# Altium PCB PMR_for_R124_test.PcbDoc (part 2 of 2)
Units mm, origin at the board's own origin, x right, y up, seen from the top; angles counter-clockwise.
Board outline 100 x 100 mm, 4 copper layers (Top Layer, Layer 1, Layer 2, Bottom Layer), stack 1.383 mm thick; 162 components, 107 nets, 490 pads, 503 vias.
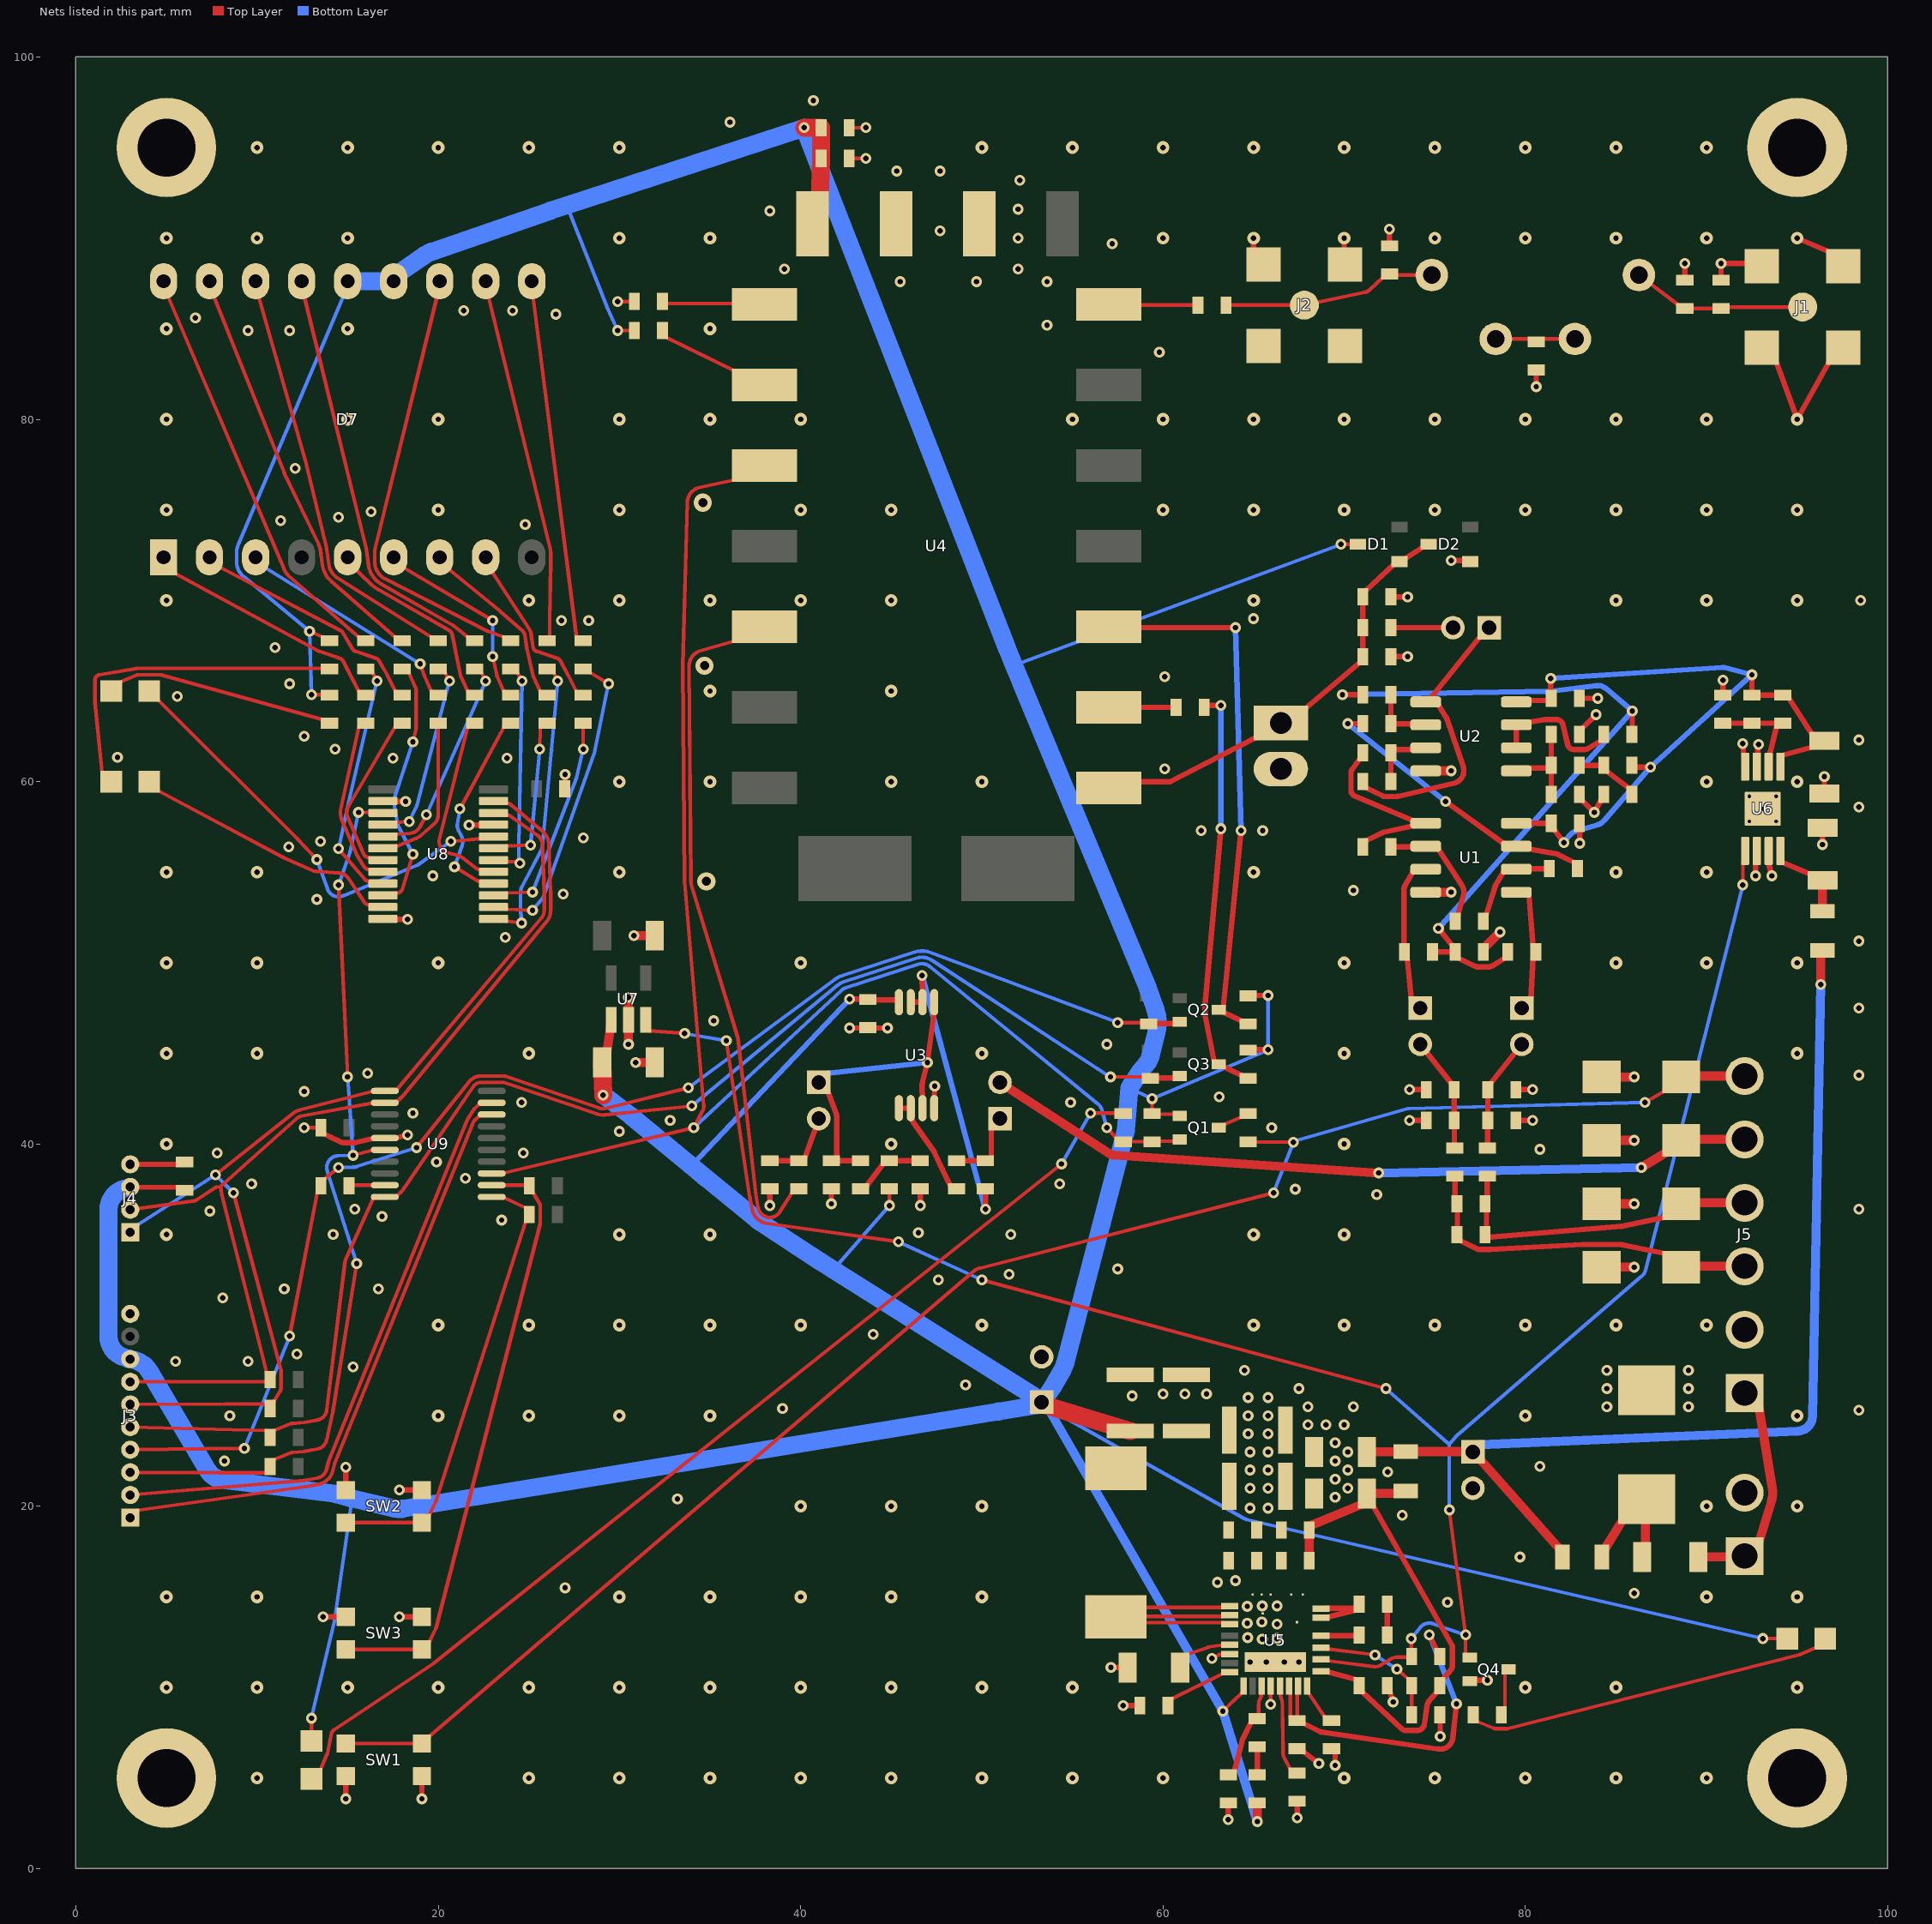
[diagram p4: the nets of this part, all layers, seen from the top]

## Via types
v1: diameter 0.6, hole 0.3, Top Layer to Bottom Layer, 331 vias
v2: diameter 0.7, hole 0.3, Top Layer to Bottom Layer, 164 vias
v3: diameter 0.5, hole 0.2, Top Layer to Bottom Layer, 5 vias
v4: diameter 1, hole 0.5, Top Layer to Bottom Layer, 3 vias

## Nets (pads, with @x,y where several pads share a name; then routed paths per layer and width w, separated by ;. In a path a pad name is that pad's centre, name@x,y a point inside that pad or via, vN(x,y) a via of type N, cw(c..) or ccw(c..) an arc to the next point about the centre after c; other vN are vias at no path point) (continued)
+5V: C17.2 C18.2 C19.2 C21.2 C22.2 C23.2 C24.2 C25.2 C26.2 C31.1 C39.2 C46.1 D1.3 D3.2 D5.1 D7.13 D7.14 J3.8 J4.3 L1.2 Q1.1 R21.2 R28.1 R33.1 R34.1 R35.1 R40.2 R66.1 R67.1 U3.8 U4.8 U5.20 U7.1 | length 394.7
  Top Layer w0.2: v1(12.9,68.3) 13.625,67.975 R66.1@14,67.775 ; D3.2@13,7.05 v1(13,8.3) ; v1(13,64.8) 13.625,64.8 R67.1@14,64.775 ; v1(29.9,84.9) R28.1@30.825,84.9 ; v1(44.9,36.6) R21.2@44.9,37.525 ; v1(59.4,42.5) 59.4,41.875 R35.1@59.4,41.675 59.775,41.644 60.625,41.644 Q1.1@60.925,41.55 ; v1(63.3,8.7) 64.371,9.705 U5.20@64.449,10.075 ; v1(69.825,73.1) D1.3@70.75,73.1 ; v1(93.1,12.7) D5.1@94.45,12.7
  Top Layer w0.3: J4.3@3,37.625 5.675,37.6 C46.1@6,37.45 ; v1(42.7,48) 43.375,48 C17.2@43.7,47.975 44.025,47.947 45.425,47.947 U3.8@45.425,47.825 ; R34.1@64.7,45.175 65.025,45.2 v1(65.8,45.2) ; R33.1@64.7,48.175 65.025,48.2 v1(65.8,48.2)
  Top Layer w0.5: C39.2@29.05,44.5 29.3,45.075 29.5,46.4 U7.1@29.55,46.85 ; v1(65.2,2.6) R40.2@65.2,3.625
  Top Layer w1: C39.2@29.05,44.5 v1(29.1,42.7) ; v1(40.2,96.1) C18.2@41.125,96.1 C19.2@41.125,94.4 41.06,92.1 U4.8@40.66,90.8 ; C31.1@53.3,25.75 53.45,25.6 C26.2@58.2,24.15
  Bottom Layer w0.2: v1(13,8.3) 14.287,13.75 ccw(c13.65,13.9) 14.298,13.81 15.212,20.258 15.235,20.432 ; v1(13,64.8) v1(12.9,68.3) 9.25,71.321 cw(c9.92,72.13) 8.87,72.13 8.87,72.63 cw(c9.92,72.63) 8.953,73.038 15,87.37 D7.14@15,87.62 ; 27.096,91.812 27.172,91.616 ccw(c27.358,91.688) 27.172,91.614 29.292,86.258 ccw(c29.9,86.5) 29.302,86.234 v1(29.9,84.9) ; 41.802,33.061 v1(44.9,36.6) ; 51.772,66.43 v1(69.825,73.1) ; C31.1@53.3,25.75 53.7,25.35 53.85,25.2 54.264,25.068 cw(c54.203,24.878) 54.301,25.052 64.48,19.33 ccw(c64.8,19.9) 64.653,19.263 v1(93.1,12.7) ; 58.141,43.079 v1(59.4,42.5) v1(65.8,45.2) v1(65.8,48.2)
  Bottom Layer w0.3: 33.975,38.79 v1(42.7,48)
  Bottom Layer w0.5: C31.1@53.7,25.35 v1(63.3,8.7) v1(65.2,2.6)
  Bottom Layer w1: J3.8@3,28.125 2.995,28.126 cw(c3.135,29.116) 2.804,28.172 2.603,28.243 cw(c3,29.375) 1.8,29.375 1.8,36.375 cw(c3,36.375) 2.664,37.527 J4.3@3,37.625 ; J3.8@3,28.125 cw(c2.866,27.134) 3.198,28.077 3.398,28.007 cw(c3,26.875) 4.033,27.485 7.293,21.963 ccw(c8.2,22.5) 8.07,21.454 14.245,20.699 cw(c14.123,19.706) 14.397,20.668 15.224,20.435 ccw(c15.495,21.398) 15.235,20.432 ; D7.14@15,87.62 D7.13@17.54,87.62 17.54,87.87 19.252,89.061 cw(c20.08,87.87) 19.606,89.24 26.184,91.514 cw(c26.511,90.568) 26.2,91.519 27.096,91.812 v1(40.2,96.1) 51.395,67.341 ccw(c52.328,67.701) 51.405,67.316 51.772,66.43 52.163,65.471 ccw(c53.089,65.85) 52.165,65.468 59.162,48.59 cw(c58.1,48.15) 59.183,48.538 59.575,47.444 cw(c57.5,46.7) 59.639,46.167 59.316,44.872 cw(c58.2,45.15) 59.071,44.4 58.859,44.153 ccw(c59.617,43.501) 58.785,44.056 58.286,43.309 ccw(c59.117,42.753) 58.271,43.286 58.141,43.079 57.95,40.812 cw(c56.9,40.9) 57.92,40.634 54.606,27.91 cw(c53.3,28.25) 54.476,27.587 53.943,26.641 cw(c53.072,27.132) 53.902,26.575 C31.1@53.45,25.9 ; 15.265,20.424 17.61,19.874 ccw(c17.85,20.9) 18.018,19.859 50.928,25.233 C31.1@53.15,25.6 ; v1(29.1,42.7) 30.635,41.541 cw(c30,40.7) 30.67,41.513 33.971,38.793 cw(c33.336,38.021) 33.973,38.792 33.975,38.79 34.79,38.108 ccw(c35.432,38.874) 34.8,38.1 37.634,35.783 ccw(c38.3,36.6) 37.722,35.719 41.064,33.527 ccw(c41.612,34.363) 41.079,33.517 41.802,33.061 C31.1@53.15,25.9
+26V: F1.1 J5.1 J6.1 | length 12.4
  Top Layer w0.5: F1.1@89.55,17.2 89.8,17.205 91.3,17.205 J6.1@92.1,17.25 92.9,18.05 93.583,20.3 ccw(c92.1,20.75) 93.63,21.001 92.9,25.45 J5.1@92.1,26.25
+26V_PROTECTION: D10.1 F1.2 FR3.1 | length 7.3
  Top Layer w0.5: FR3.1@84.225,17.2 84.375,17.625 85.375,19.275 D10.1@86.7,20.4 86.612,19.275 86.612,17.775 F1.2@86.45,17.2
+POWER_RAIL: C20.1 C27.2 FR1.1 FR2.1 FR3.2 | length 58.6
  Top Layer w0.5: C27.2@71.25,23 71.5,23.003 72.975,23.003 FR1.1@73.4,23.025 73.825,23.022 76.7,23.022 C20.1@77.1,23 77.5,22.6 81.9,17.625 FR3.2@82.05,17.2 ; v1(96.3,48.8) 96.3,50.525 FR2.1@96.4,50.675
  Bottom Layer w0.5: C20.1@77.1,23 77.5,23.4 95.036,24.151 ccw(c95,25) 95.85,24.984 v1(96.3,48.8)
+VA: C10.2 C11.2 C38.2 C41.2 R17.2 R48.2 U1.8 U2.8 U6.1 | length 42.1
  Top Layer w0.3: U1.8@79.5,57.705 80.2,57.7 81.275,57.7 C10.2@81.425,57.7 81.575,57.375 v1(82.119,56.637) ; U2.8@79.5,64.405 80.2,64.476 81.275,64.476 C11.2@81.425,64.6 81.4,64.925 v1(81.4,65.7) ; R17.2@85.875,60.9 86.025,60.8 v1(86.9,60.8) ; v1(92.5,65.9) 92.5,64.925 R48.2@92.5,64.775 C41.2@94.2,64.775 94.525,64.625 95.825,62.6 C38.2@96.5,62.25 95.825,61.9 94.15,61.45 U6.1@94.075,60.825
  Bottom Layer w0.3: v1(81.4,65.7) 90.855,66.303 cw(c90.9,65.6) 91.082,66.28 v1(92.5,65.9) v1(86.9,60.8) 84.332,57.839 cw(c83.8,58.3) 83.998,57.625 82.803,57.276 ccw(c83,56.6) 82.456,57.047 v1(82.119,56.637)
+VREF: C5.1 R3.1 R12.1 R15.1 R19.2 | length 41.4
  Top Layer w0.3: v1(69.9,64.8) R12.1@71.025,64.8 ; R3.1@74.875,50.6 C5.1@76.125,50.6 ; v1(75.2,51.9) 75.975,50.925 C5.1@76.125,50.6 ; R15.1@79.025,50.6 78.875,50.275 78.161,49.828 cw(c77.975,50.125) 77.975,49.775 77.375,49.775 cw(c77.375,50.125) 77.222,49.81 76.275,50.275 C5.1@76.125,50.6 ; R19.2@85.875,62.6 85.9,62.925 v1(85.9,63.9)
  Bottom Layer w0.3: v1(69.9,64.8) 81.413,64.996 ccw(c81.4,65.7) 81.484,65.001 83.914,65.299 ; v1(75.2,51.9) v1(85.9,63.9) 85.672,64.099 ccw(c85.474,63.873) 85.669,64.101 84.458,65.135 ccw(c84,64.6) 83.914,65.299
A1: R51.2 U8.4 | length 10.5
  Top Layer w0.2: U8.4@16.95,57.625 17.65,57.75 17.701,57.75 ccw(c17.701,58.099) 17.725,57.751 v1(18.4,57.8) ; R51.2@20,66.225 20.375,66.025 v1(20.619,65.554)
  Bottom Layer w0.2: v1(18.4,57.8) 18.79,58.618 ccw(c18.2,58.9) 18.833,58.734 v1(20.619,65.554)
A2: R59.2 U8.13 | length 16.2
  Top Layer w0.2: U8.13@23.05,52.425 23.75,52.3 v1(24.6,52.2) ; R59.2@26,66.225 26.375,66.025 v1(26.594,65.561)
  Bottom Layer w0.2: v1(24.6,52.2) 24.548,52.848 cw(c25.2,52.9) 24.546,52.9 24.546,53.9 cw(c25.2,53.9) 24.622,54.207 25.678,56.193 ccw(c25.1,56.5) 25.751,56.439 26.251,61.739 ccw(c25.6,61.8) 26.251,61.742 v1(26.594,65.561)
"AF AMP FB1": R23.1 U3.6 U3.7 | length 16.6
  Top Layer w0.3: U3.7@46.075,47.825 U3.6@46.725,47.825 46.725,48.325 v1(46.7,49.3) ; v1(50.2,36.4) 50.2,37.375 R23.1@50.2,37.525
  Bottom Layer w0.3: v1(46.7,49.3) v1(50.2,36.4)
"AF AMP FB2": R27.1 U3.1 U3.2 | length 5.9
  Top Layer w0.3: U3.1@45.425,41.975 U3.2@46.075,41.975 46.075,41.475 46.217,41.206 ccw(c46.725,41.475) 46.254,41.145 47.361,39.577 cw(c47.075,39.375) 47.392,39.522 47.807,38.628 ccw(c48.125,38.775) 47.81,38.622 48.275,37.675 R27.1@48.6,37.525
"AF AMP INPUT": C16.1 R22.1 R26.1 U3.3 U3.5 | length 18.3
  Top Layer w0.3: C16.1@41,43.4 41.5,42.9 41.935,41.755 cw(c41,41.4) 42,41.4 42,39.225 R26.1@41.7,39.075 ; R26.1@42,39.075 R22.1@43.3,39.075 ; U3.3@46.725,41.975 46.725,42.475 46.697,43.173 cw(c47.4,43.2) 46.717,43.372 v1(47,44.5) 47.375,47.325 U3.5@47.375,47.825
  Bottom Layer w0.3: C16.1@41,43.4 41.5,43.9 v1(47,44.5)
"AF AMP SUM": C15.1 R23.2 R27.2 | length 4.3
  Top Layer w0.3: R27.2@48.6,39.075 R23.2@50.2,39.075 50.525,39.225 50.525,40.9 C15.1@51,41.4
"AF OUT": R24.1 U4.3 | length 38.1
  Top Layer w0.2: U4.3@37.576,68.351 36.3,67.75 34.463,67.221 ccw(c34.7,66.4) 33.846,66.392 33.946,54.493 ccw(c34.8,54.5) 33.983,54.252 36.526,45.89 cw(c35.9,45.7) 36.55,45.773 37.527,37.19 ccw(c37.825,37.225) 37.53,37.171 37.657,36.48 ccw(c38.3,36.6) 38.854,36.253 39.525,37.325 R24.1@39.9,37.525
ANT: R50.1 U4.12 | length 4.9
  Top Layer w0.213: U4.12@57,86.35 58.694,86.302 61.731,86.302 R50.1@61.925,86.3
"AUDIO OUT": C15.2 D13.2 J5.5 | length 42.8
  Top Layer w0.5: C15.2@51,43.4 57.08,39.447 ccw(c57.325,39.825) 57.295,39.376 v1(71.9,38.4) ; v1(86.4,38.7) 87.8,39.55 D13.2@88.6,40.2 89.4,40.25 J5.5@92.1,40.25
  Bottom Layer w0.5: v1(71.9,38.4) v1(86.4,38.7)
B1: R52.2 U8.5 | length 12
  Top Layer w0.2: U8.5@16.95,56.975 17.65,57.1 17.701,57.1 ccw(c17.701,57.449) 17.722,57.101 18.444,57.147 ccw(c18.4,57.8) 18.974,57.486 v1(19.346,58.165) ; R52.2@22,66.225 22.375,66.025 v1(22.619,65.554)
  Bottom Layer w0.2: v1(19.346,58.165) v1(22.619,65.554)
B2: R60.2 U8.14 | length 17.1
  Top Layer w0.2: U8.14@23.05,53.075 23.75,52.95 23.801,52.95 cw(c23.801,52.6) 23.813,52.95 v1(25.2,52.9) ; R60.2@28,66.225 28.375,66.025 v1(29.4,65.4)
  Bottom Layer w0.2: v1(25.2,52.9) 25.695,53.472 ccw(c25.2,53.9) 25.816,53.682 28.616,61.582 ccw(c28,61.8) 28.641,61.67 v1(29.4,65.4)
BOOT: C35.1 U5.4 | length 2.1
  Top Layer w0.3: U5.4@68.725,12.85 69.045,12.858 70.675,12.858 C35.1@70.825,12.9
BOOT_PHASE: C35.2 R44.2 | length 1.7
  Top Layer w0.3: C35.2@72.375,12.9 R44.2@72.375,14.6
C1: R53.2 U8.6 | length 8.8
  Top Layer w0.2: U8.6@16.95,56.325 17.65,56.45 17.701,56.45 ccw(c17.701,56.799) 17.834,56.477 18.787,56.874 ccw(c18.4,57.8) 19.063,57.046 19.777,57.674 ccw(c19.346,58.165) 20,58.165 20,63.025 R53.2@20,63.225
C2: R61.2 U8.15 | length 12
  Top Layer w0.2: U8.15@23.05,53.725 23.75,53.85 23.801,53.85 ccw(c23.801,54.199) 23.812,53.85 v1(25.2,53.9) ; v1(28,61.8) R61.2@28,63.225
  Bottom Layer w0.2: v1(25.2,53.9) 27.61,60.165 ccw(c27,60.4) 27.637,60.251 v1(28,61.8)
CHANNEL: R70.1 SW2.1 U9.11 | length 24.7
  Top Layer w0.2: SW2.1@14.9,19.1 SW2.1@19.1,19.1 19.5,19.5 19.87,20.27 ccw(c19.6,20.4) 19.886,20.308 24.825,35.725 R70.1@25.025,36.1 24.825,36.475 23.55,37.075 U9.11@22.95,37.075
CHANNEL_LED: D8.2 U8.11 | length 15.1
  Top Layer w0.2: D8.2@4.05,60 4.55,59.5 11.442,55.823 ccw(c11.75,56.4) 11.481,55.804 13.031,55.104 ccw(c13.3,55.7) 13.25,55.048 14.548,54.952 cw(c14.5,54.3) 15.045,54.661 15.908,53.357 ccw(c16.2,53.549) 16.2,53.2 16.25,53.2 U8.11@16.95,53.075
D1: R54.2 U8.7 | length 9.5
  Top Layer w0.2: U8.7@16.95,55.675 16.25,55.8 16.2,55.8 cw(c16.2,56.149) 15.878,56.012 14.999,58.041 cw(c15.6,58.3) 15.037,58.632 17.625,63.025 R54.2@18,63.225
D2: R62.2 U8.16 | length 11.3
  Top Layer w0.2: v1(20.9,55.3) 22.116,54.552 ccw(c22.3,54.849) 22.3,54.5 22.35,54.5 U8.16@23.05,54.375 ; v1(21.2,58.5) 23.625,63.025 R62.2@24,63.225
  Bottom Layer w0.2: v1(20.9,55.3) 21.317,56.483 ccw(c20.7,56.7) 21.274,57.013 21.125,57.289 cw(c21.7,57.6) 21.057,57.719 v1(21.2,58.5)
"DIF AMP FB+": R5.1 R8.2 U1.2 | length 7.1
  Top Layer w0.3: R5.1@72.575,56.4 72.725,56.403 73.8,56.403 U1.2@74.5,56.435 75.2,56.285 76.492,54.281 cw(c75.9,53.9) 76.578,53.711 76.275,52.625 R8.2@76.125,52.3
"DIF AMP FB-": R8.1 R13.1 U1.6 | length 5.5
  Top Layer w0.3: R8.1@77.675,52.3 77.825,52.625 78.324,54.197 cw(c78.8,54.045) 78.371,54.302 78.8,55.015 U1.6@79.5,55.165 80.2,55.197 81.175,55.197 R13.1@81.325,55.2
"DIF AMP INPUT+": C1.2 C2.2 R1.2 R2.2 | length 6.4
  Top Layer w0.3: C1.2@74.2,45.5 75.925,43.325 R2.2@76.075,43 C2.2@76.075,41.3 76.08,40.975 76.08,39.925 R1.2@76.1,39.775
"DIF AMP INPUT-": C8.1 C9.2 R14.2 R16.2 | length 6.4
  Top Layer w0.3: R16.2@77.9,39.775 77.92,39.925 77.92,40.975 C8.1@77.925,41.3 R14.2@77.925,43 78.075,43.325 C9.2@79.8,45.5
"DIF AMP OUT": C3.1 R4.2 U2.1 | length 16.4
  Top Layer w0.3: R4.2@71.025,60 71.175,59.675 72.122,59.21 ccw(c72.275,59.525) 72.275,59.175 72.875,59.175 ccw(c72.875,59.525) 72.955,59.184 76.061,59.915 ccw(c75.9,60.6) 76.566,60.827 75.673,63.446 ccw(c75.2,63.285) 75.628,63.543 75.2,64.255 U2.1@74.5,64.405 74.734,64.555 cw(c75.2,64.255) 74.751,64.58 74.879,64.755 cw(c75.121,64.579) 74.888,64.767 77.5,68 C3.1@78,68.5
"DIFF2 AMP+": R5.2 R6.1 U1.1 | length 10.7
  Top Layer w0.3: R5.2@71.025,56.4 71.175,56.725 72.121,57.189 cw(c72.275,56.875) 72.203,57.217 73.8,57.555 U1.1@74.5,57.705 73.8,57.855 70.59,59.202 cw(c70.725,59.525) 70.375,59.525 70.375,60.475 cw(c70.725,60.475) 70.442,60.681 70.875,61.275 R6.1@71.025,61.6
"DIFF2 AMP-": R10.1 R13.2 U1.7 | length 16.1
  Top Layer w0.3: v1(70.2,63.2) R10.1@71.025,63.2 ; v1(75.6,58.9) 78.8,56.585 U1.7@79.5,56.435 80.2,56.285 81.687,56.02 cw(c81.625,55.675) 81.779,55.989 82.725,55.525 R13.2@82.875,55.2
  Bottom Layer w0.3: v1(70.2,63.2) v1(75.6,58.9)
"DIFF AMP+": C1.1 R3.2 U1.3 | length 8.6
  Top Layer w0.3: C1.1@74.2,47.5 73.7,48 73.475,50.275 R3.2@73.325,50.6 73.3,50.925 73.3,54.045 cw(c73.8,54.045) 73.371,54.302 73.8,55.015 U1.3@74.5,55.165
"DIFF AMP-": C9.1 R15.2 U1.5 | length 7.2
  Top Layer w0.3: U1.5@79.5,53.895 80.2,53.745 80.425,50.925 R15.2@80.575,50.6 80.425,50.275 80.3,48 C9.1@79.8,47.5
E1: R55.2 U8.8 | length 9.7
  Top Layer w0.2: R55.2@16,63.225 15.625,63.025 14.62,58.519 ccw(c15.6,58.3) 14.678,57.903 15.558,55.872 ccw(c16.2,56.149) 15.61,55.774 15.905,55.311 ccw(c16.2,55.499) 16.2,55.15 16.25,55.15 U8.8@16.95,55.025
E2: R63.2 U8.17 | length 10.6
  Top Layer w0.2: R63.2@22,63.225 21.625,63.025 20.066,56.861 ccw(c20.7,56.7) 20.539,56.066 21.061,55.934 cw(c20.9,55.3) 21.295,55.822 22.089,55.221 ccw(c22.3,55.499) 22.3,55.15 22.35,55.15 U8.17@23.05,55.025
F1: R57.2 U8.9 | length 13.7
  Top Layer w0.2: v1(14.5,56.3) 15.934,54.622 ccw(c16.2,54.849) 16.2,54.5 16.25,54.5 U8.9@16.95,54.375 ; R57.2@16,66.225 16.375,66.025 v1(16.619,65.554)
  Bottom Layer w0.2: v1(14.5,56.3) 14.961,58.438 cw(c15.6,58.3) 14.963,58.448 v1(16.619,65.554)
F2: R64.2 U8.18 | length 12.7
  Top Layer w0.2: U8.18@23.05,55.675 23.75,55.8 23.75,55.577 24.423,55.577 v1(24.5,55.5) ; R64.2@24,66.225 24.375,66.025 v1(24.619,65.554)
  Bottom Layer w0.2: v1(24.5,55.5) 24.446,55.554 24.446,56.512 v1(24.619,65.554)
FB_5V: R39.1 R42.2 U5.22 | length 5.5
  Top Layer w0.2: R39.1@65.2,8.275 65.282,8.475 65.282,9.071 cw(c65.936,9.071) 65.334,9.327 65.403,9.488 ccw(c65.127,9.605) 65.427,9.605 65.427,9.705 U5.22@65.449,10.075
  Top Layer w0.3: R42.2@63.6,5.175 63.925,5.325 64.386,7.112 cw(c64.725,7.025) 64.411,7.179 64.875,8.125 R39.1@65.2,8.275
FB_10V: C41.1 R48.1 R49.2 U6.2 | length 5.6
  Top Layer w0.3: R49.2@90.9,63.225 C41.1@93.875,63.225 ; U6.2@93.425,60.825 93.5,61.45 93.5,61.55 cw(c93.9,61.55) 93.512,61.648 93.836,62.935 cw(c94.127,62.861) 93.838,62.941 93.875,63.075 C41.1@94.2,63.225
FILT1: C42.2 J2.1 L2.1 R50.2 | length 11.8
  Top Layer w0.213: R50.2@63.475,86.3 J2.1@67.8,86.3 67.821,86.304 ccw(c67.779,86.513) 67.823,86.305 71.127,87.007 ccw(c71,87.6) 71.415,87.158 72.131,87.831 C42.2@72.5,88.025 72.869,87.965 L2.1@74.835,87.965
FILT2: C43.2 L2.2 L3.1 | length 4.4
  Top Layer w0.213: L2.2@78.365,84.435 80.231,84.435 C43.2@80.6,84.275 80.969,84.435 L3.1@82.735,84.435
fSW: R47.2 U5.24 | length 5.1
  Top Layer w0.2: U5.24@66.45,10.075 66.473,9.705 66.473,9.605 ccw(c66.773,9.605) 66.485,9.52 66.563,9.257 cw(c65.936,9.071) 66.59,9.079 66.625,6.321 ccw(c66.925,6.325) 66.658,6.189 67.025,5.475 R47.2@67.4,5.275
G1: R58.2 U8.10 | length 14.1
  Top Layer w0.2: U8.10@16.95,53.725 17.65,53.85 17.701,53.85 ccw(c17.701,54.199) 18.036,54.1 v1(18.6,56) ; R58.2@18,66.225 18.375,66.025 18.748,65.199 cw(c18.475,65.075) 18.775,65.075 18.775,62.925 cw(c18.475,62.925) 18.766,62.851 v1(18.6,62.2)
  Bottom Layer w0.2: v1(18.6,56) 17.82,57.497 cw(c18.4,57.8) 17.757,57.683 17.556,58.784 cw(c18.2,58.9) 17.579,59.104 v1(18.6,62.2)
G2: R65.2 U8.19 | length 9
  Top Layer w0.2: U8.19@23.05,56.325 23.75,56.45 23.801,56.45 ccw(c23.801,56.799) 23.813,56.45 v1(25.1,56.5) ; v1(25.6,61.8) 25.625,63.025 R65.2@26,63.225
  Bottom Layer w0.2: v1(25.1,56.5) v1(25.6,61.8)
GND: C2.1 C5.2 C6.1 C7.2 C8.2 C10.1 C11.1 C12.1 C13.1 C14.1 C17.1 C18.1 C19.1 C20.2 C21.1 C22.1 C23.1 C24.1 C25.1 C26.1 C27.1 C28.1 C29.1 C30.1 C31.2 C32.1 C33.1 C34.2 C36.1 C37.1 C38.1 C39.1 C40.1 C42.1 C43.1 C44.1 C45.2 C46.2 D2.1 D6.1 D10.2 D11.1 D12.1 D13.1 D14.1 J1.2 J2.2 J3.10 J4.4 J5.2 J6.2 J7.2 pad.0 pad.1 pad.2 pad.3 Q4.2 R2.1 R11.1 R14.1 R20.2 R25.2 R26.2 R29.1 R41.1 R42.1 R45.1 R47.1 R49.1 SW1.1 SW2.2 SW3.2 U1.4 U2.4 U3.4 U4.9 U4.10 U5.9 U5.10 U5.11 U5.17 U5.23 U5.28 U5.30 U6.3 U6.4 U6.6 U6.7 U6.9 U7.2 U8.2 U8.12 U8.21 U9.5 | length 99.8
  Top Layer w0.2: v1(12.6,40.9) C45.2@13.525,40.9 ; v1(29.9,86.5) R29.1@30.825,86.5 ; C19.1@42.675,94.4 v1(43.6,94.4) ; C18.1@42.675,96.1 v1(43.6,96.1) ; v1(62.7,11.6) 63.066,11.792 cw(c63.205,11.527) 63.205,11.827 63.305,11.827 U5.17@63.675,11.849 ; v1(65.936,9.071) 65.936,9.705 U5.23@65.95,10.075
  Top Layer w0.3: J4.4@3,38.875 5.675,38.875 C46.2@6,39 ; C45.2@13.525,40.9 13.675,40.575 14.052,40.378 ccw(c14.378,41.002) 14.081,40.363 14.627,40.108 ccw(c14.775,40.425) 14.775,40.075 15.375,40.075 ccw(c15.375,40.425) 15.457,40.085 16.45,40.325 17.65,40.325 v1(18.3,40.5) ; v1(13.65,13.9) SW3.2@14.9,13.9 ; v1(14.9,3.85) SW1.1@14.9,5.1 ; SW2.2@14.9,20.9 v1(14.9,22.15) ; U8.12@16.95,52.425 17.6,52.4 v1(18.3,52.4) ; U8.2@16.95,58.925 17.6,58.9 v1(18.2,58.9) ; v1(17.85,13.9) SW3.2@19.1,13.9 ; v1(17.85,20.9) SW2.2@19.1,20.9 ; v1(19.1,3.85) SW1.1@19.1,5.1 ; v1(21.7,57.6) 22.4,57.6 U8.21@23.05,57.625 ; C7.2@26.975,59.6 27,59.925 v1(27,60.4) ; v1(38.3,36.6) 38.3,37.375 R25.2@38.3,37.525 ; v1(41.7,36.7) 41.7,37.375 R26.2@41.7,37.525 ; v1(42.7,46.4) 43.375,46.4 C17.1@43.7,46.425 44.025,46.4 v1(44.8,46.4) ; v1(46.6,36.6) C14.1@46.6,37.525 ; U3.4@47.375,41.975 47.375,42.475 v1(47.4,43.2) ; v1(57.125,11.1) C34.2@58.05,11.1 ; v1(57.8,9) C36.1@58.725,9 ; v1(63.6,2.7) R42.1@63.6,3.625 ; v2(65,90) 65,89.35 J2.2@65.55,88.55 ; v1(67.4,2.8) R47.1@67.4,3.725 ; C32.1@67.4,6.625 67.725,6.475 v1(68.6,5.8) ; R45.1@69.3,6.625 69.5,6.475 v1(69.5,5.7) ; v2(70,90) 70,89.35 J2.2@70.05,88.55 ; C33.1@72.375,10.1 72.525,9.775 v1(72.7,9.2) ; C42.1@72.5,89.575 v1(72.5,90.5) ; R11.1@72.575,66.9 v1(73.5,66.9) ; C6.1@72.575,70.2 v1(73.5,70.2) ; v1(73.6,41.3) C2.1@74.525,41.3 ; v1(73.6,43) R2.1@74.525,43 ; R41.1@75.275,8.5 75.3,8.175 v1(75.3,7.3) ; v1(75.9,72.2) 76.65,72.2 D2.1@76.95,72.15 ; Q4.2@76.925,10.35 77.175,10.4 v1(77.9,10.4) ; C8.2@79.475,41.3 v1(80.4,41.3) ; R14.1@79.475,43 v1(80.4,43) ; v1(80.6,81.8) C43.1@80.6,82.725 ; C10.1@82.975,57.7 83,57.375 v1(83,56.6) ; R20.2@82.975,59.3 83.125,58.975 v1(83.8,58.3) 84.175,58.975 C12.1@84.325,59.3 ; C13.1@82.975,62.6 83.125,62.925 v1(83.9,63.7) ; C11.1@82.975,64.6 v1(84,64.6) ; C44.1@88.8,87.675 v1(88.8,88.6) ; D6.1@90.8,87.675 v1(90.8,88.6) 92.25,88.6 J1.2@93.05,88.45 ; R49.1@90.9,64.775 90.9,64.925 v1(90.9,65.6) ; v1(92,62.1) 92.05,61.45 U6.4@92.125,60.825 ; v1(92.7,54.8) 92.7,55.45 92.7,55.55 U6.6@92.775,56.175 ; U6.3@92.775,60.825 92.7,61.45 92.825,61.45 92.825,62 v1(92.875,62.05) ; J1.2@93.05,83.95 93.85,83.15 v2(95,80) 96.75,83.15 J1.2@97.55,83.95 ; U6.7@93.425,56.175 93.45,55.55 93.45,55.449 ccw(c93.9,55.449) 93.464,55.339 v1(93.6,54.8) ; v2(95,90) 96.75,89.25 J1.2@97.55,88.45 ; v1(96.4,56.525) C37.1@96.4,57.45 ; C38.1@96.5,59.35 v1(96.5,60.275)